# KiCad board Wirebonder.kicad_pcb (continued)
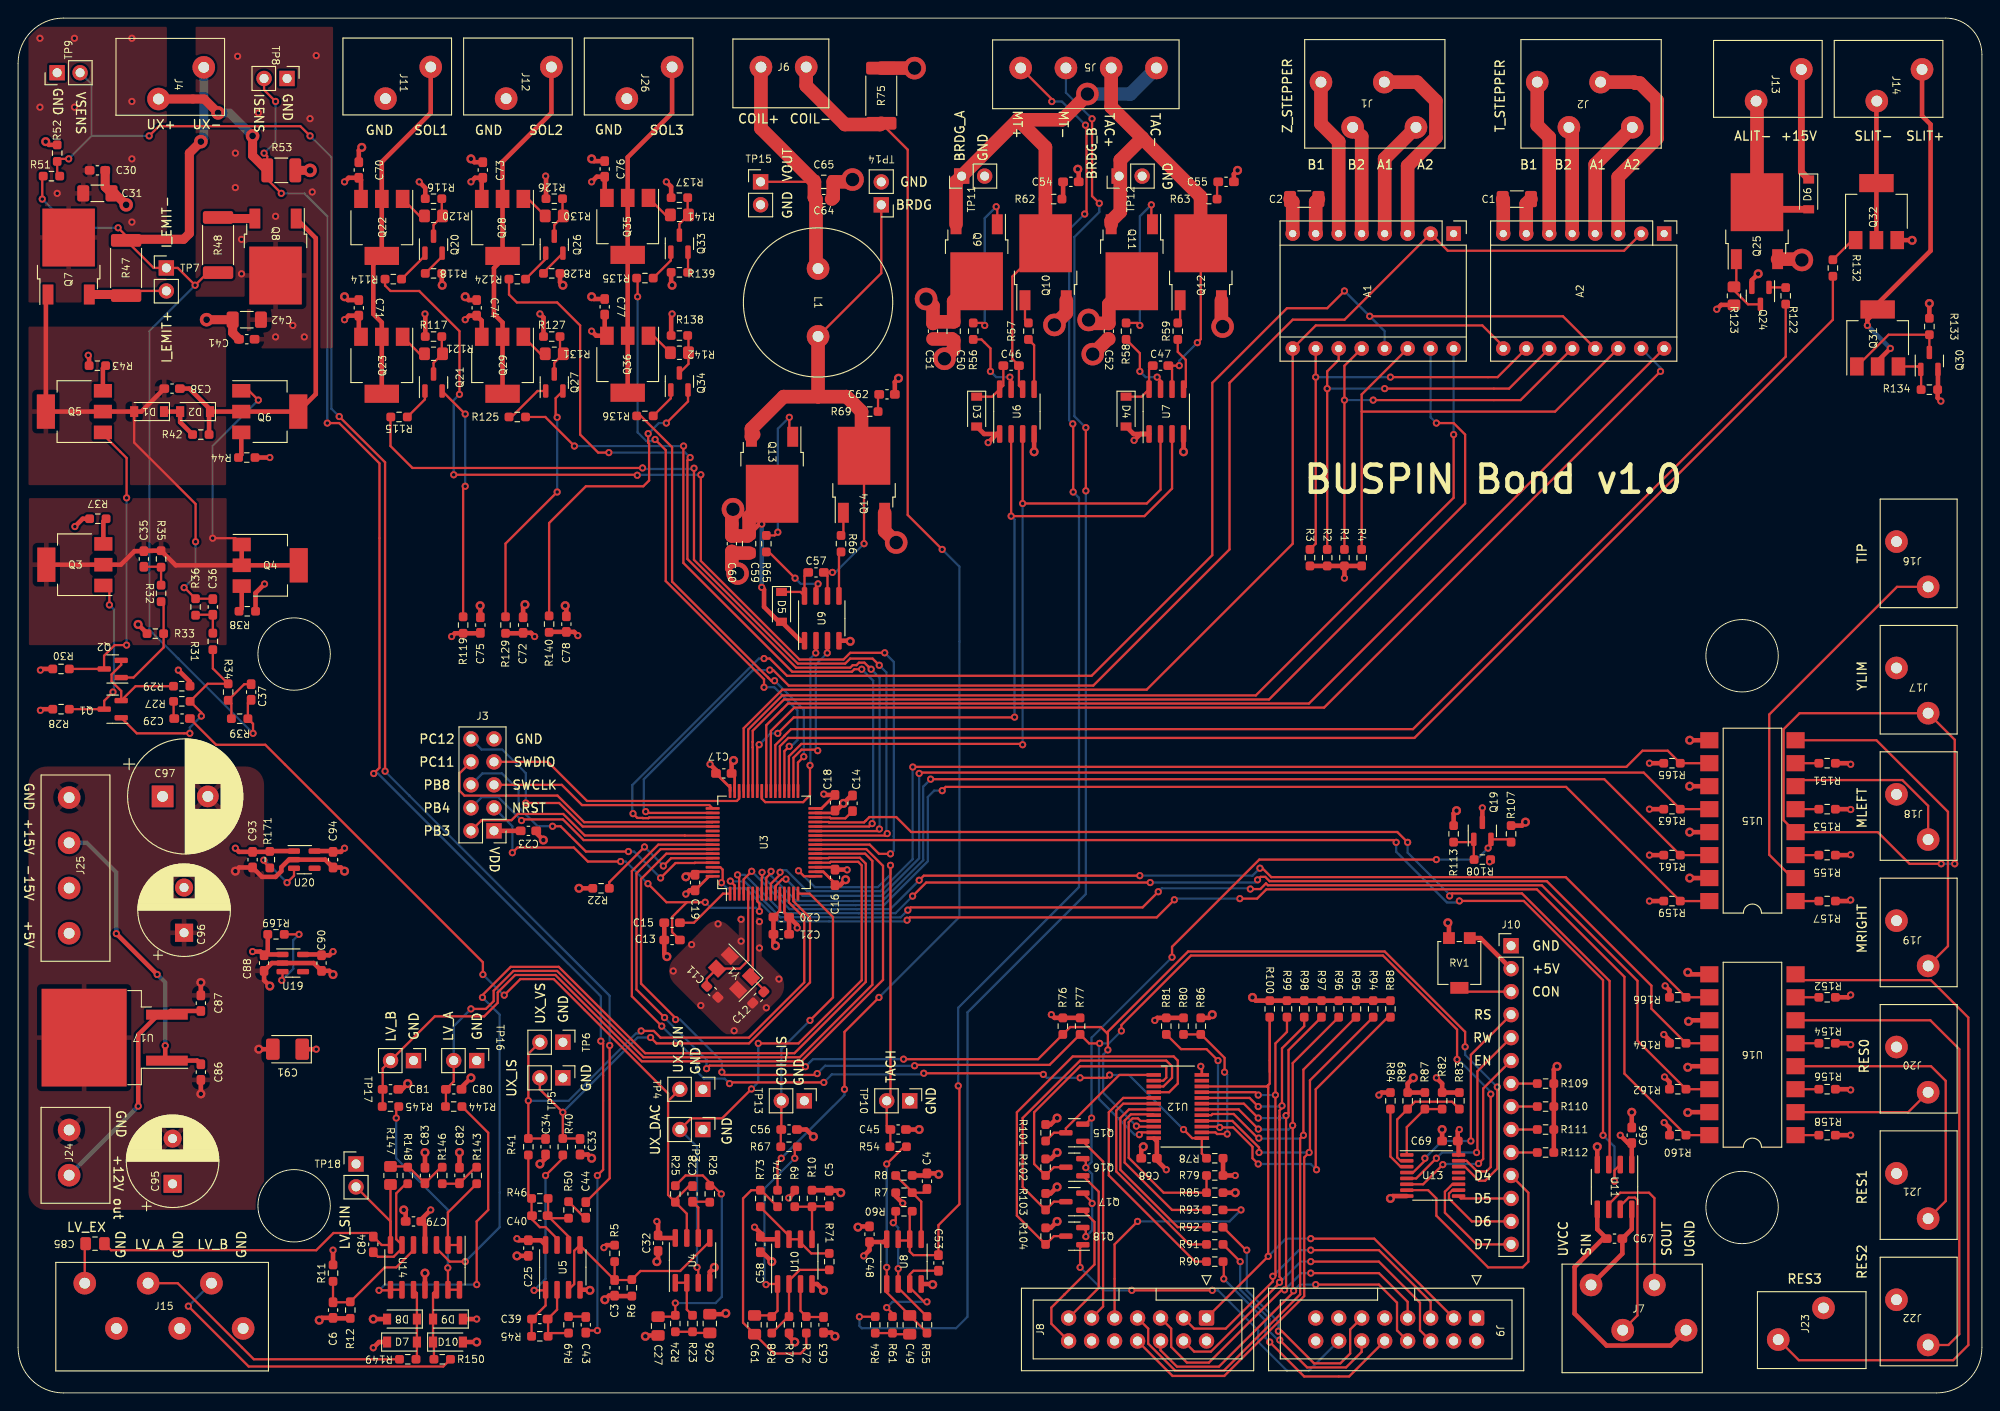
[diagram p0: board, top side]
## Routing (per net, layer and track width the routed paths; a pad name or vN(x,y) marks a point on that pad's centre or on a via; arc(x,y) is an arc through that point) (continued)
  Bottom w0.25: J3.6 51.31,68.49 53.47,68.49 55.31,66.65 55.31,64.74 57.41,62.65 v1(59.06,62.65) ; v1(71,56.93) 68.07,59.85 v1(67.44,59.85)
/mcu/PC11: length 33.1
  Top w0.25: J3.8 48.77,68.49 48.77,66.58 49.32,66.04 59.6,66.04 62.55,63.1 76.73,63.1 U3.52
/mcu/PC12: length 32.7
  Top w0.25: v1(56.1,65.22) 59.79,65.22 62.39,62.62 U3.53
  Bottom w0.25: J3.10 51.22,71.13 53.5,71.13 56.1,68.53 v1(56.1,65.22)
/mcu/SERIAL_RX: length 119
  Top w0.25: U11.2 176.41,24.61 v1(176.41,23.41) ; U3.25 152.03,61.12 v1(152.28,60.87) ; v1(159.26,54.39) 166.38,54.39 175.13,45.63 v1(175.13,28.49)
  Bottom w0.25: v1(152.28,60.87) 152.28,59.83 157.89,54.22 159.09,54.22 v1(159.26,54.39) ; v1(175.13,28.49) 176.41,27.22 v1(176.41,23.41)
/mcu/SERIAL_TX: length 116.8
  Top w0.25: v1(153.54,60.87) 152.4,62.01 98.69,62.01 97.03,63.67 94.67,63.67 94.07,63.67 93.65,63.24 93.48,63.08 89.61,63.08 89.57,63.12 U3.29 ; U11.3 175.86,25.33 175.86,45.54 166.18,55.22 158.46,55.22 v1(158.19,54.95)
  Bottom w0.25: v1(158.19,54.95) 158.19,55.09 153.54,59.73 v1(153.54,60.87)
/mcu/STEPPER_EN: length 123.2
  Top w0.25: A2.9 164.11,115.71 161.8,118.02 143.4,118.02 A1.9 140.84,93.89 124.71,77.75 84.44,77.75 80.17,73.48 U3.45
/mcu/STEPPER_FAULT: length 160.1
  Top w0.25: v1(69.35,64.27) 69.5,64.12 U3.50 ; A2.2 177.46,126.28 157.98,126.28 A1.2 146.57,118.66 140.84,118.66 133.86,111.67 133.86,93.25 118.81,78.2 85.15,78.2 83.43,79.92 v1(83.06,79.92)
  Bottom w0.25: v1(83.06,79.92) 81.22,79.92 69.14,67.84 69.14,64.48 v1(69.35,64.27)
/mcu/STEPPER_RESET: length 160.9
  Top w0.25: U3.51 69.72,63.62 69.65,63.55 69.05,63.55 69.02,63.57 68.42,63.57 v1(67.95,64.05) ; v1(146.56,121.83) 144.66,119.92 140.21,119.92 131.96,111.67 131.96,92.62 118.62,79.28 84.97,79.28 83.06,81.19 v1(82.42,81.19) ; A2.13 170.7,119.04 v1(149.35,119.04)
  Bottom w0.25: v1(67.95,64.05) 67.87,64.12 67.87,67.21 81.85,81.19 v1(82.42,81.19) ; v1(146.56,121.83) v1(149.35,119.04) 151,117.38 A1.13
/mcu/STEPPER_TEAR_DIR: length 123.9
  Top w0.25: 84.33,75.48 85.07,76.22 142.64,76.22 A2.16 ; 84.44,75.58 82.67,73.82 U3.40
/mcu/STEPPER_TEAR_STEP: length 124.8
  Top w0.25: U3.39 83.17,73.18 85.77,75.77 144.31,75.77 v1(181.49,112.94)
  Bottom w0.25: v1(181.49,112.94) 181.49,113.34 A2.15
/mcu/STEPPER_Y_DIR: length 111.9
  Top w0.25: v1(158.62,105.95) 158.62,98.97 136.77,77.12 84.45,77.12 80.67,73.35 U3.44
  Bottom w0.25: v1(158.62,105.95) A1.16
/mcu/STEPPER_Y_STEP: length 115.6
  Top w0.25: U3.43 81.17,71.35 81.16,71.37 81.16,71.97 81.17,71.98 81.17,73.21 84.63,76.67 138.23,76.67 159.9,98.33 159.9,105.95 158.62,107.22 v1(156.72,107.22)
  Bottom w0.25: A1.15 156.09,107.86 v1(156.72,107.22)
/mcu/SWCLK: length 25.2
  Top w0.25: U3.49 76.38,64.99 62.31,64.99 60.08,67.22 J3.5
/mcu/SWDIO: length 29.8
  Top w0.25: U3.46 79.67,65.7 79.42,65.44 62.86,65.44 58.54,69.77 J3.7
/mcu/ULTRASONIC_ISENS: length 54
  Top w0.25: 57.66,34.84 57.66,33.56 v1(60.19,31.03) R40.1 62.05,28.13 ; v1(69.89,39.29) 70.54,38.64 80.77,38.64 87.5,45.38 87.5,52.52 85.67,54.35 U3.15
  Bottom w0.25: v1(60.19,31.03) 68.46,39.29 v1(69.89,39.29)
/mcu/ULTRASONIC_SIGNAL: length 65.3
  Top w0.25: TP3.2 74.36,30.36 77.79,30.36 v1(81.04,33.6) ; U3.20 89.7,58.62 89.8,58.72 92.83,58.72 93.22,58.33 93.22,45.63 86.23,38.64 v1(81.79,38.64) ; v1(75.02,13.88) 75.16,13.74 U4.3
  Bottom w0.25: v1(75.02,13.88) 75.02,27.22 TP3.2 ; v1(81.04,33.6) 81.79,34.36 v1(81.79,38.64)
/mcu/ULTRASONIC_VSENS: length 60.1
  Top w0.25: C34.2 58.23,28.13 R41.1 v1(56.38,32.31) 56.38,37.49 TP6.2 ; v1(68.85,40.02) 70.25,40.02 70.99,39.28 80.76,39.28 86.87,45.39 86.87,52.52 85.17,54.22 U3.14
  Bottom w0.25: v1(68.85,40.02) 68.57,39.74 68.27,39.74 60.82,32.29 56.39,32.29 v1(56.38,32.31)
/mcu/ZMOTOR_nPWM: length 86.7
  Top w0.25: U7.2 126.24,99.86 124.72,98.33 v1(111,98.33) U6.3 ; v1(111,71.67) 110.91,71.75 86.55,71.75 85.17,70.38 U3.35
  Bottom w0.25: v1(111,71.67) v1(111,98.33)
/mcu/ZMOTOR_PWM: length 91.2
  Top w0.25: v1(83.94,72.92) 85.71,74.68 110.08,74.68 v1(110.11,74.71) ; U6.2 v1(109.73,96.94) 124.46,96.94 127.51,99.99 U7.3 ; U3.42 81.67,71.46 v1(81.89,71.67)
  Bottom w0.25: v1(83.94,72.92) 83.14,72.92 v1(81.89,71.67) ; v1(110.11,74.71) 110.11,96.56 v1(109.73,96.94)
/mcu/ZMOTOR_TACHOMETER: length 46.1
  Top w0.25: v1(86.24,57.73) 86.84,57.12 U3.17 ; v1(96.4,58.33) 96.4,32.71 TP10.2 95.98,29.52 C45.1 96.38,27.26 R54.1
  Bottom w0.25: v1(96.4,58.33) 96.4,57.31 95,55.92 88.05,55.92 v1(86.24,57.73)
Net-(A1-Pad3): length 22.5
  Top w1.5: A1.3 153.54,135.67 156.66,138.79 156.66,142.84 154.59,144.92 J1.2
Net-(A1-Pad4): length 13.2
  Top w1.5: A1.4 151,136.46 J1.1
Net-(A1-Pad5): length 12.2
  Top w1.5: J1.3 148.47,138.92 A1.5
Net-(A1-Pad6): length 17.6
  Top w1.5: J1.4 143.97,140.31 145.93,138.35 A1.6
Net-(A1-Pad10): length 47.1
  Top w0.25: R3.1 143.38,93.89 A1.10 ; A2.10 163.49,112.31 v1(151.64,112.31)
  Bottom w0.25: v1(151.64,112.31) v1(143.38,112.31)
Net-(A1-Pad11): length 49.1
  Top w0.25: R2.1 144.66,112.94 145.93,114.21 A1.11 ; v1(151,111.03) 164.75,111.03 A2.11
  Bottom w0.25: v1(151,111.03) v1(144.66,111.03)
Net-(A1-Pad12): length 50.5
  Top w0.25: v1(149.74,109.77) 166.03,109.77 A2.12 ; A1.12 146.56,113.56 R1.1
  Bottom w0.25: v1(149.74,109.77) v1(146.56,109.77)
Net-(A1-Pad14): length 55.6
  Top w0.25: A2.14 169.84,108.5 148.47,108.5 ; 148.47,108.5 R4.1 ; 148.47,108.5 148.47,110.39 A1.14
Net-(A2-Pad3): length 23.6
  Top w1.5: A2.3 176.81,134.43 181.1,138.72 181.1,142.91 179.2,144.82 178.69,144.82 178.59,144.92 J2.2
Net-(A2-Pad4): length 13.4
  Top w1.5: A2.4 174.27,135.82 J2.1
Net-(A2-Pad5): length 11.9
  Top w1.5: A2.5 171.73,139.56 J2.3
Net-(A2-Pad6): length 17.3
  Top w1.5: J2.4 167.87,140.15 169.19,138.82 A2.6
Net-(C3-Pad2): length 25.6
  Top w0.25: C3.2 67.77,12.48 R6.1 68.77,13.48 73.16,13.48 76.43,16.75 U4.5 ; C3.2 62.09,16.3 U5.5 61.45,15.71 61.45,12.03 U5.3 ; C3.2 R5.2
Net-(C4-Pad2): length 10
  Top w0.25: R7.2 100.02,22.13 C4.2 ; R7.2 99.79,21.14 U8.5 ; R7.2 98.8,22.22 R8.1
Net-(C5-Pad2): length 7.4
  Top w0.25: R9.2 R10.1 ; R10.1 87.78,20.64 C5.2 ; R10.1 U10.5
Net-(C6-Pad2): length 14.2
  Top w0.25: U14.5 43.69,15.78 41.78,13.88 40.52,13.88 R12.1 36.66,10.02 C6.2 R11.2
Net-(C11-Pad2): length 13.6
  Top w0.25: C11.2 76.1,45.78 Y1.3 79.77,46.91 80.67,47.82 U3.5
Net-(C12-Pad2): length 11.5
  Top w0.25: C12.2 82.4,44.58 Y1.1 81.17,46.19 U3.6
Net-(C14-Pad1): length 4.5
  Top w0.25: U3.30 89.7,63.62 89.8,63.53 91.4,63.53 C14.1
Net-(C15-Pad2): length 6.9
  Top w0.25: U3.1 77.89,55.19 74.68,51.98 C15.2
Net-(C26-Pad1): length 3.9
  Top w0.25: R24.1 R23.2 74.65,6.63 C26.1
Net-(C27-Pad1): length 26.7
  Top w0.25: C27.1 72.47,8.43 R24.2 v1(72.62,9.93) ; v1(77.7,22) 76.79,22.91 R26.1 76.43,23.27 75.66,24.04 73.75,24.04 R25.1
  Bottom w0.25: v1(77.7,22) 77.76,21.94 77.76,10.62 77.07,9.93 v1(72.62,9.93)
Net-(C28-Pad1): length 6.2
  Top w0.25: U4.6 75.16,20.5 C28.1 76.38,21.13 R26.2
Net-(C28-Pad2): length 93.8
  Top w0.25: C29.1 21.88,71.66 27.32,71.66 51.36,47.61 v1(51.36,46.25) ; R25.2 73.89,19.81 U4.7 ; R25.2 72.62,21.36 74.12,22.86 C28.2 ; R25.2 71.82,21.88 71.82,32.26 ; 71.82,32.26 71.82,33.12 59.18,45.76 55.5,45.76 v1(53.72,43.98) ; 71.82,32.26 TP4.2
  Bottom w0.25: v1(51.36,46.25) 53.64,43.98 v1(53.72,43.98)
Net-(C29-Pad2): length 1.9
  Top w0.25: C29.2 17.18,74.63 R27.2
Net-(C35-Pad1): length 3.9
  Top w0.25: R32.1 R35.2 15.75,91.34 C35.1
Net-(C35-Pad2): length 54.7
  Top w0.25: Q4.1 24.7,93.8 24,94.5 v1(21.5,94.5) ; v1(26.55,109.77) 25.52,110.8 24.66,110.8
  Top w0.5: Q4.2 Q4.1 ; Q4.2 Q4.4 ; Q4.2 17.41,91.5 R35.1 13.95,93.11 C35.2 12.85,93.06 11.35,91.57 Q3.2 Q3.4
  Bottom w0.25: v1(26.55,109.77) 21.5,104.72 v1(21.5,94.5)
Net-(C36-Pad1): length 4
  Top w0.25: R31.1 21.52,86.03 C36.1 19.66,86.03 R36.1
Net-(C36-Pad2): length 53.7
  Top w0.25: D1.2 12.83,105.07 19.61,98.28 v1(19.61,94.11) ; C36.2 21.47,87.81 R36.2 18.39,89.03 v1(18.34,89.03)
  Top w0.5: C38.2 13.61,108.5 D1.2 Q5.2 Q5.4 3.07,121.2 Q7.1
  Bottom w0.25: v1(18.34,89.03) 19.61,90.3 v1(19.61,94.11)
Net-(C37-Pad1): length 113.6
  Top w0.25: v1(25.96,72.92) 25.96,73.97 R39.1 25.39,76.27 C37.1 ; R51.1 2.67,134.43 v1(2.67,131.99) ; v1(11.05,128.81) 11.94,127.93 R47.2 14.98,124.38 TP7.1 17.65,124.38 v1(19.56,122.47) 20.95,123.86 R48.1
  Top w1: v4(20.2,138.34) 18.92,137.07 18.92,128.18 18.29,127.55 12.06,127.55 R47.2
  Bottom w0.25: v1(25.96,72.92) 14.5,84.39 14.5,117.41 v1(19.56,122.47) ; v1(11.05,128.81) 5.84,128.81 v1(2.67,131.99)
  Bottom w1: J4.1 20.52,138.66 v4(20.2,138.34)
Net-(C37-Pad2): length 5.5
  Top w0.25: C37.2 24.98,78.35 R34.2 23.57,76.22 R39.2
Net-(C38-Pad1): length 39.9
  Top w0.5: D2.1 Q6.2 Q6.4 32.89,110.43 32.89,127.67 Q8.1 ; D2.1 21.1,108.39 R42.2 ; D2.1 21.2,108.75 18.92,111.03 C38.1
Net-(C39-Pad1): length 23.4
  Top w0.25: v1(58.28,24.04) 60.19,25.94 R40.2 ; R45.2 56.74,8.12 C39.1 58.28,9.66 U5.1 58.22,11.34 v1(57.02,11.34)
  Bottom w0.25: v1(57.02,11.34) 58.28,12.61 v1(58.28,24.04)
Net-(C39-Pad2): length 8
  Top w0.25: R49.1 58.92,6.62 R45.1 58.56,8.12 C39.2 59.56,9.21 59.56,11.41
Net-(C40-Pad1): length 11.6
  Top w0.25: 59.56,16.35 59.56,17.06 58.28,18.32 57.65,18.32 56.79,19.19 C40.1 56.74,19.65 R46.1 56.38,21.86 R41.2
Net-(C40-Pad2): length 8.6
  Top w0.25: R46.2 58.56,19.65 C40.2 ; U5.6 60.83,17.28 C40.2 ; R50.1 58.79,19.32 C40.2
Net-(C43-Pad1): length 1.9
  Top w0.25: C43.1 62.68,8.44 R49.2
Net-(C43-Pad2): length 176.3
  Top w0.25: v1(27.18,137.07) 27.53,136.72 R53.1 27.53,134.18 v1(29.08,132.62) ; v1(28.45,142.78) 27.18,144.06 TP8.2 ; C43.2 62.96,6.9 v1(64.01,6.9) ; v1(39.3,68.48) 39.93,69.11 39.93,102.77 35.47,107.22 v1(34.17,107.22) ; v1(64.01,24.04) 64.64,24.68 64.64,38.64 v1(64.39,38.9)
  Top w1: J4.2 20.56,143.06 v4(22.1,141.51) ; v4(25.91,138.97) 25.91,136.78 R53.1
  Bottom w0.25: v1(29.08,132.62) 31.62,132.62 34.17,130.09 v1(34.17,107.22) ; v1(28.45,142.78) 28.45,138.34 v1(27.18,137.07) ; v1(64.01,24.04) v1(64.01,6.9) ; v1(64.39,38.9) 64.39,43.85 39.76,68.48 v1(39.3,68.48)
  Bottom w1: v4(25.91,138.97) 23.37,141.51 v4(22.1,141.51)
Net-(C44-Pad1): length 2.6
  Top w0.25: C44.1 62.6,19.37 R50.2
Net-(C44-Pad2): length 171.9
  Top w0.25: v1(65.37,38.41) 65.37,23.73 C44.2 ; v1(5.59,136.44) 4.6,136.44 R52.1 4.32,134.81 R51.2 ; v1(14.48,138.97) 15.55,140.05 31.19,140.05 v1(32.26,138.97) ; v1(40.55,68.74) 40.55,102.88 v1(35.49,107.95)
  Bottom w0.25: v1(40.55,68.74) 40.55,68.72 65.37,43.9 v1(65.37,38.41) ; v1(14.48,138.97) 8.13,138.97 ; 8.13,138.97 v1(5.59,136.44) ; 8.13,138.97 8.13,144.68 TP9.2 ; v1(32.26,138.97) 34.61,136.62 34.61,108.82 v1(35.49,107.95)
Net-(C46-Pad1): length 5.7
  Top w0.25: C46.1 108.87,111.38 U6.8 107.63,110.15 D3.1
Net-(C46-Pad2): length 65.2
  Top w0.25: U6.6 110.59,111.38 C46.2 109.86,114.31 109.86,123.42 113.54,127.1
  Top w1.5: 110.49,140.76 113.52,137.73 R62.1 113.52,127.13 113.54,127.1 ; 110.49,140.76 115.38,140.76 118.16,143.54 v3(118.16,143.61) ; 110.49,140.76 104.26,134.54 TP11.1 103.64,133.91 103.64,129.2
  Bottom w1.5: v3(118.16,143.61) 122.91,143.61 125.78,146.49
Net-(C47-Pad1): length 5.7
  Top w0.25: C47.1 124.97,113.17 U7.8 124.15,110.15 D4.1
Net-(C47-Pad2): length 52.9
  Top w0.25: 130.69,127.1 130.69,116.5 v1(130.31,116.12) ; v1(128.31,113.58) C47.2 127.51,113.17 U7.6
  Top w1.5: 120.78,129.2 120.78,129.58 121.79,130.59 121.79,136.31 124.21,138.72 ; 120.78,146.49 120.78,142.18 124.21,138.76 124.21,138.72 ; 130.69,127.1 130.66,127.13 R63.1 130.66,132.27 124.21,138.72
  Bottom w0.25: v1(128.31,113.58) 128.31,114.12 v1(130.31,116.12)
Net-(C49-Pad1): length 23.5
  Top w0.25: v1(95.98,13.88) U8.1 95.98,11.11 C49.1 100.43,6.66 R55.2 ; R54.2 97.89,27.22 v1(95.98,25.31)
  Bottom w0.25: v1(95.98,13.88) v1(95.98,25.31)
Net-(C49-Pad2): length 3.9
  Top w0.25: C49.2 96.74,6.49 R61.2 R64.1
Net-(C53-Pad1): length 151.9
  Top w0.25: 97.25,16.84 98.52,16.84 ; 98.52,16.84 98.52,19.81 R60.1 ; 98.52,16.84 98.52,15.64 98.93,15.23 C53.1 101.7,18.55 104.01,20.87 104.01,33.82 v1(103.89,33.95) ; v1(114.22,142.78) 114.22,143.05 110.78,146.49 ; v1(117.86,130.34) 118.06,130.54 118.06,140.05 v1(117.95,140.16) ; v1(116.59,99.61) 116.59,107.09 v1(116.54,107.14)
  Bottom w0.25: v1(114.22,142.78) 115.33,142.78 v1(117.95,140.16) ; v1(103.89,33.95) 103.89,42.58 117.22,55.92 117.22,98.97 v1(116.59,99.61) ; v1(117.86,130.34) 116.14,128.62 116.14,107.54 v1(116.54,107.14)
Net-(C53-Pad2): length 13.3
  Top w0.25: v1(95.98,9.44) 96.62,8.8 R61.1 ; C53.2 98.94,13.51 98.52,13.09 U8.3 98.52,11.66 100.12,10.07 v1(100.43,10.07)
  Bottom w0.25: v1(95.98,9.44) 96.62,10.07 v1(100.43,10.07)
Net-(C54-Pad1): length 2
  Top w0.5: C54.1 115.47,132.12 R62.2
Net-(C55-Pad1): length 2
  Top w0.25: R63.2 132.49,133.76 C55.1
Net-(C57-Pad1): length 5.5
  Top w0.25: C57.1 86.9,90.31 U9.8 86.45,88.56 D5.1
Net-(C57-Pad2): length 62.9
  Top w0.25: L1.2 95.38,123.8 TP14.1 ; U9.6 89.44,90.31 C57.2 v1(89.98,90.72) ; v1(93.47,93.89) Q14.2
  Top w1.5: 81.28,105.96 Q13.3 81.03,106.6 84.58,110.15 88.39,110.15 ; L1.2 88.39,110.15 88.39,110.15 ; Q14.2 93.2,103.89 R69.1 91.55,110.15 88.39,110.15
  Bottom w0.25: v1(93.47,93.89) 90.3,90.72 v1(89.98,90.72)
Net-(C61-Pad1): length 23.9
  Top w0.25: v1(82.65,11.97) 82.71,12.04 U10.1 83.92,9.08 R68.2 83.16,8.57 C61.1 ; R67.2 85.82,26.94 v1(85.82,25.94)
  Bottom w0.25: v1(82.65,11.97) 82.46,12.16 82.46,22.58 v1(85.82,25.94)
Net-(C61-Pad2): length 29
  Top w0.25: R72.2 87.09,4.99 86.46,4.35 83.52,4.35 C61.2 80.11,7.76 80.11,21.5 81.02,22.41 R73.2 82.09,22.41 R74.1
Net-(C62-Pad1): length 2
  Top w0.25: C62.1 95.02,110.27 R69.2
Net-(C63-Pad2): length 5.8
  Top w0.25: C63.2 87.14,8.39 R72.1 86.46,9.08 U10.3
Net-(C64-Pad1): length 30.8
  Top w0.25: C65.1 87.99,133.9 TP15.1
  Top w1.5: J6.1 82.08,139.8 C65.1 87.99,132.16 C64.1 88.17,124.54 L1.1
Net-(C67-Pad1): length 28.2
  Top w0.5: J7.4 182.61,5.24 175.53,5.24 171.99,8.77 171.99,13.91 175.13,17.06 C67.1 174.5,18.1 U11.5
Net-(C67-Pad2): length 10.2
  Top w0.5: U11.8 178.31,18.1 C67.2 177.27,15.39 J7.1
Net-(C82-Pad1): length 4.6
  Top w0.25: R146.1 48.72,23.13 C82.1 50.55,24.95 R143.2
Net-(C83-Pad1): length 7.2
  Top w0.25: R146.2 46.73,24.95 C83.1 43.19,24.95 R148.1 42.97,25.04 R147.1
Net-(C84-Pad1): length 11.8
  Top w0.25: C84.1 39.75,15.06 41.5,15.06 42.42,15.98 U14.6 41.78,16.99 41.78,22.06 42.85,23.13 R148.2
Net-(C84-Pad2): length 47.8
  Top w0.25: R147.2 U14.7 ; U14.7 40.17,16.35 C84.2 38.84,17.69 ; U14.7 41.15,18.97 TP18.2 ; C85.1 10.26,15.78 32.94,15.78 34.85,17.68 38.66,17.68
Net-(C85-Pad2): length 4.4
  Top w0.25: C85.2 7.37,16.4 J15.1
Net-(D1-Pad1): length 4.9
  Top w0.5: R42.1 17.91,107.33 D2.2 D1.1
Net-(D7-Pad2): length 7.9
  Top w0.25: R149.1 44.07,3.82 D7.2 D8.1 44.07,11.03 U14.10
Net-(D10-Pad1): length 7.9
  Top w0.25: R150.1 45.95,5.52 D10.1 D9.2 45.85,11.03 U14.12
Net-(J5-Pad3): length 162
  Top w0.25: v1(117.99,106.72) v1(117.99,99.73) ; v1(119.47,131.52) 118.67,132.32 v1(118.67,140.87) ; v1(92.97,8.42) 94.69,8.42 R64.2
  Bottom w0.25: 115.78,146.49 115.78,143.75 v1(118.67,140.87) ; v1(119.47,131.52) 119.47,130.56 116.72,127.8 116.72,107.99 v1(117.99,106.72) ; v1(92.97,8.42) 92.97,7.4 93.22,7.15 103.63,7.15 104.9,8.42 104.9,42.07 117.99,55.16 v1(117.99,99.73)
Net-(J6-Pad2): length 142.1
  Top w0.25: v1(102.11,93.25) 98.3,97.06 98.3,137.45 R75.1 ; R74.2 83.92,25.53 v1(84.33,25.94) ; v1(91.31,33.56) 91.31,39.92 v1(95.12,43.72)
  Top w1.5: J6.2 87.08,144.51 91.36,140.24 95.25,140.24 R75.1
  Bottom w0.25: v1(95.12,43.72) 104.01,52.61 104.01,91.35 v1(102.11,93.25) ; v1(84.33,25.94) 91.31,32.93 v1(91.31,33.56)
Net-(J7-Pad2): length 17.8
  Top w0.25: U11.7 177.04,20.67 177.96,21.59 178.66,21.59 178.94,21.32 178.94,8.56 J7.2
Net-(J7-Pad3): length 16
  Top w0.25: J7.3 180.81,21.54 180.22,22.13 177.04,22.13 175.77,20.87 U11.6
Net-(J8-Pad1): length 74.8
  Top w0.25: 138.31,35.47 R100.2 138.31,34.2 137.99,33.88 ; U12.10 137.99,33.88 ; 137.99,33.88 138.14,34.03 v1(138.14,15.1) J8.1 ; J9.3 149.85,17.06 v1(142.84,17.06)
  Bottom w0.25: v1(138.14,15.1) 140.09,17.06 v1(142.84,17.06)
Net-(J8-Pad3): length 73.4
  Top w0.25: R99.2 140.21,39.92 138.94,38.64 v1(138.94,32.93) 138.94,12.99 138.66,12.72 138.66,12.33 133.44,7.11 129.96,7.11 J8.3 ; v1(142.84,15.78) 150.37,15.78 156.09,10.07 J9.5 ; U12.9 136.72,33.25 v1(137.03,32.93)
  Bottom w0.25: v1(137.03,32.93) 138.93,32.93 v1(138.94,32.93) ; v1(138.64,12.9) 141.53,15.78 v1(142.84,15.78)
Net-(J8-Pad4): length 77.4
  Top w0.25: J8.4 129.96,4.57 131.81,4.57 139.17,11.93 139.17,12.01 v1(139.38,12.22) 139.66,12.5 139.66,12.56 139.38,12.84 139.38,30.2 139.39,30.2 139.39,30.58 139.38,30.58 139.38,31.22 139.66,31.5 139.66,38.09 142.12,40.55 R98.2 ; v1(142.84,14.51) 150.37,14.51 154.91,9.97 154.91,6.92 J9.6 ; v1(137.03,31.66) 136.08,32.61 U12.8
  Bottom w0.25: v1(139.38,12.22) 139.43,12.22 141.73,14.51 v1(142.84,14.51) ; v1(139.66,31.74) 139.58,31.66 v1(137.03,31.66)
Net-(J8-Pad5): length 79.7
  Top w0.25: v1(142.84,13.25) 150.37,13.25 153.54,10.07 J9.7 ; J8.5 127.41,7.11 127.41,5.09 129.15,3.35 131.58,3.35 139.63,11.39 v1(139.95,11.39) 140.11,11.56 v1(140.11,30.66) 140.38,30.93 140.38,37.91 R97.2 ; v1(137.03,30.39) 135.45,31.98 U12.7
  Bottom w0.25: v1(137.03,30.39) 139.84,30.39 v1(140.11,30.66) ; v1(139.95,11.39) 141.8,13.25 v1(142.84,13.25)
Net-(J8-Pad6): length 80.8
  Top w0.25: v1(143.38,11.97) 150.37,11.97 152.37,9.97 152.37,6.92 J9.8 ; J8.6 126.24,4.72 128.06,2.9 132.69,2.9 140.86,11.07 140.86,11.09 140.94,11.16 v1(140.94,11.29) 140.84,11.39 140.84,36.46 R96.2 ; v1(137.05,29.17) 134.87,31.34 U12.6
  Bottom w0.25: v1(137.05,29.17) 137.09,29.12 140.38,29.12 v1(140.83,29.57) ; v1(140.94,11.29) 141.62,11.97 v1(143.38,11.97)
Net-(J8-Pad7): length 70.6
  Top w0.25: J8.7 124.88,7.11 124.88,5.45 127.87,2.45 133.22,2.45 141.67,10.89 141.67,28.12 v1(142.03,28.49) 142.03,35.74 R95.2 ; U12.5 131.85,30.71 131.98,30.84 134.32,30.84 136.98,28.17 v1(137.1,28.17)
  Bottom w0.25: v1(137.1,28.17) 137.15,28.12 141.66,28.12 v1(142.03,28.49)
Net-(J8-Pad8): length 71.3
  Top w0.25: v1(137.12,26.58) 137.12,27.13 134.18,30.07 U12.4 ; R94.2 142.75,34.56 142.75,26.67 v1(142.66,26.58) 142.12,26.03 142.12,10.71 133.28,1.87 127.57,1.87 J8.8
  Bottom w0.25: v1(137.12,26.58) v1(142.66,26.58)
Net-(J8-Pad9): length 25.7
  Top w0.25: v1(123.7,18.96) 121.16,16.42 J8.9 ; v1(135.13,20.23) R93.2
  Bottom w0.25: v1(123.7,18.96) 133.86,18.96 v1(135.13,20.23)
Net-(J8-Pad11): length 21
  Top w0.25: J8.11 119.89,9.55 119.89,25.57 Q15.1
Net-(J8-Pad13): length 17.8
  Top w0.25: Q16.1 119.41,22.25 119.41,11.61 J8.13
Net-(J8-Pad14): length 17.7
  Top w0.25: Q17.1 118.94,18.91 118.94,14.2 115.63,10.89 115.63,10.89 114.18,9.44 114.18,7.65 J8.14
Net-(J9-Pad10): length 26.9
  Top w0.25: R90.2 133.22,14.44 v1(133.22,12.61) ; v1(138.31,5.62) 142.12,1.81 147.08,1.81 J9.10
  Bottom w0.25: v1(138.31,5.62) 137.83,6.1 137.83,8 v1(133.22,12.61)
Net-(J9-Pad11): length 28.4
  Top w0.25: v1(139.26,6.83) 139.64,6.83 143.2,3.27 146.11,3.27 147.19,4.35 147.19,7.01 J9.11 ; R92.2 135.69,15.78 v1(135.76,15.78)
  Bottom w0.25: v1(139.26,6.83) 139.26,7.85 135.76,11.34 v1(135.76,15.78)
Net-(J9-Pad12): length 25.5
  Top w0.25: R91.2 135.04,14.52 v1(135.04,14.51) ; v1(139.42,5.84) 142.43,2.82 146.75,2.82 148.47,4.54 J9.12
  Bottom w0.25: v1(139.42,5.84) 139.22,5.84 138.28,6.78 138.28,8.19 135.04,11.43 v1(135.04,14.51)
Net-(J9-Pad14): length 38
  Top w0.25: v1(123.06,11.34) v1(131.96,11.34) ; Q18.1 117.35,16.08 v1(117.35,13.88)
  Bottom w0.25: J9.14 142.63,2.45 140.21,2.45 137.03,5.62 137.03,6.9 132.59,11.34 v1(131.96,11.34) ; v1(117.35,13.88) 119.89,11.34 v1(123.06,11.34)
Net-(J10-Pad3): length 5.9
  Top w0.25: RV1.2 159.69,44.36 J10.3
Net-(J10-Pad7): length 2.9
  Top w0.25: J10.7 R109.1
Net-(J10-Pad8): length 2.9
  Top w0.25: J10.8 R110.1
Net-(J10-Pad9): length 2.9
  Top w0.25: J10.9 R111.1
Net-(J10-Pad10): length 2.9
  Top w0.25: J10.10 R112.1
Net-(J15-Pad3): length 31.3
  Top w0.25: J15.3 17.64,12.13 26.05,3.72 R149.2
Net-(J15-Pad5): length 35.7
  Top w0.25: v1(18.81,9.59) 25.48,2.92 46.98,2.92 R150.2
  Bottom w0.25: v1(18.81,9.59) 18.83,9.59 J15.5
Net-(J16-Pad1): length 42.9
  Top w0.25: U15.2 196.08,56.92 193.5,59.5 193.5,75 207.62,89.12 J16.1
Net-(J17-Pad1): length 65.5
  Top w0.25: v1(214,58.5) 214,72.21 J17.1 196.86,75.15 195.09,73.38 195.09,63.33 U15.4 205.5,62 209,58.5 v1(212.5,58.5)
  Bottom w0.25: v1(212.5,58.5) v1(214,58.5)
Net-(J18-Pad1): length 19.8
  Top w0.25: U15.6 197.09,67.75 208.21,67.75 211.06,64.91 J18.1
Net-(J19-Pad1): length 38.1
  Top w0.25: J19.1 213.25,49.4 213.25,64.25 205.34,72.16 U15.8
Net-(J20-Pad1): length 15.6
  Top w0.25: U16.2 208.86,31.04 J20.1
Net-(J21-Pad1): length 33.3
  Top w0.25: U16.4 211.38,36.12 213,34.5 213,21.21 J21.1
Net-(J22-Pad1): length 54.9
  Top w0.25: J22.1 213.3,5.3 214.5,6.5 214.5,38 211.3,41.2 U16.6
Net-(J23-Pad1): length 79.9
  Top w0.25: J23.1 196.78,3.62 213.82,3.62 215.5,5.29 215.5,41.5 211.37,45.64 197.06,45.64 U16.8
Net-(Q1-Pad1): length 22.3
  Top w0.25: Q1.1 13.11,72.92 v1(18.98,72.92) ; R31.2 21.52,80.09 R34.1 20.95,78.4 R27.1 20.24,75.22 v1(20.24,74.83)
  Bottom w0.25: v1(18.98,72.92) 18.98,73.56 v1(20.24,74.83)
Net-(Q1-Pad2): length 11.8
  Top w0.25: R29.2 12.98,78.14 Q1.2 11.39,77.61 10.33,78.67 10.33,79.44 11.39,80.5 Q2.2
Net-(Q1-Pad3): length 18.5
  Top w0.25: v1(10.49,77.49) 9.52,76.52 Q1.3 R28.1 ; v1(10.09,87.12) 10.09,88.6 Q3.1
  Bottom w0.25: v1(10.09,87.12) 10.6,86.61 10.6,77.6 v1(10.49,77.49)
Net-(Q2-Pad1): length 11.2
  Top w0.25: Q2.1 12.75,79.09 16.08,82.42 R33.2 16.08,87.2 R32.2
Net-(Q2-Pad3): length 32.9
  Top w0.25: v1(11.99,98.96) 11.99,103.37 9.37,105.98 Q5.1 ; v1(11.99,82.68) 10.68,82.68 9.5,81.5 9.5,80.06 Q2.3 R30.1
  Bottom w0.25: v1(11.99,98.96) v1(11.99,82.68)
Net-(Q3-Pad3): length 2.9
  Top w0.5: R37.1 9.42,96.34 Q3.3
Net-(Q4-Pad3): length 2.9
  Top w0.5: R38.2 24.71,86.72 Q4.3
Net-(Q5-Pad3): length 2.9
  Top w0.5: R43.1 9.37,113.27 9.37,110.8
Net-(Q6-Pad3): length 2.9
  Top w0.5: R44.2 24.66,103.72 Q6.3
Net-(Q7-Pad3): length 8.8
  Top w0.25: TP7.2 12.45,121.84 R47.1
  Top w1: Q7.3 11.81,121.44 R47.1
Net-(Q8-Pad3): length 4.1
  Top w1: R48.2 22.22,129.84 Q8.3
Net-(Q9-Pad1): length 17
  Top w0.25: v1(108.08,131.14) 108.2,131.02 108.2,129.2 ; v1(106.81,118.02) 106.53,118.3 R56.2
  Bottom w0.25: v1(106.81,118.02) 106.81,129.87 v1(108.08,131.14)
Net-(Q10-Pad1): length 2.7
  Top w0.25: R57.2 111.26,118.67 Q10.1
Net-(Q11-Pad1): length 17.7
  Top w0.25: v1(123.96,118.02) 123.68,118.3 R58.2 ; 125.34,129.2 125.22,129.32 v1(125.22,131.35)
  Bottom w0.25: v1(123.96,118.02) 123.96,130.09 v1(125.22,131.35)
Net-(Q12-Pad1): length 2.6
  Top w0.25: R59.2 128.41,118.56 Q12.1
Net-(Q13-Pad1): length 16.9
  Top w0.25: Q13.1 85.22,106.09 v1(85.22,107.86) ; R65.1 83.59,94.8 v1(83.95,95.16)
  Bottom w0.25: v1(83.95,95.16) 83.95,106.59 v1(85.22,107.86)
Net-(Q14-Pad1): length 2.6
  Top w0.25: Q14.1 91.19,95.06 R66.1
Net-(Q15-Pad2): length 84.6
  Top w0.25: v1(118.62,30.39) 117.94,29.71 Q15.2 ; Q16.2 117.99,25.57 v1(117.99,24.9) ; R107.1 164.67,61.2 Q19.2 162.75,60.55 v1(162.44,60.23) ; v1(127.51,48.17) 127.51,49.32 137.15,58.97 v1(156.72,58.97) ; v1(117.99,17.28) 117.99,17.95 Q18.2 ; v1(118.68,20.95) 118.68,21.06 Q17.2
  Bottom w0.25: v1(127.51,48.17) 118.62,39.28 v1(118.62,30.39) 118.62,25.54 v1(117.99,24.9) 118.68,24.21 v1(118.68,20.95) 118.68,17.98 v1(117.99,17.28) ; v1(156.72,58.97) 161.16,58.97 v1(162.44,60.23)
Net-(Q15-Pad3): length 15.3
  Top w0.25: U12.13 121.68,35.15 115.78,29.25 Q15.3 114.45,28.76 R101.2
Net-(Q16-Pad3): length 29.6
  Top w0.25: Q16.3 114.45,24.95 R102.2 112.27,25.31 112.27,31.02 117.35,36.1 126.87,36.1 126.88,36.1 126.88,34.85 126.54,34.52 U12.14
Net-(Q17-Pad3): length 36.9
  Top w0.25: Q17.3 114.45,21.14 R103.2 111,22.77 111,30.39 117.35,36.74 126.88,36.74 127.51,36.1 127.51,34.84 126.56,33.88 U12.15
Net-(Q18-Pad3): length 44.6
  Top w0.25: Q18.3 114.45,17.33 R104.2 110.37,19.59 110.37,31.03 116.54,37.2 127.69,37.2 128.15,36.74 128.15,34.2 127.19,33.25 U12.16
Net-(Q19-Pad1): length 4.6
  Top w0.25: R108.2 160.85,59 Q19.1 160.54,60.89 R113.1
Net-(Q20-Pad1): length 3.9
  Top w0.25: Q20.1 44.95,125.72 R114.1
Net-(Q20-Pad2): length 3
  Top w0.25: R118.2 46.86,125.64 Q20.2
Net-(Q20-Pad3): length 4.6
  Top w0.25: Q20.3 45.91,129.12 R120.1 46.82,130.21 R116.1
Net-(Q21-Pad1): length 3.7
  Top w0.25: R115.1 44.95,109.85 Q21.1
Net-(Q21-Pad2): length 26.1
  Top w0.25: v1(49.41,108.22) Q21.2 ; v1(49.41,100.24) 49.17,100.01 R119.2
  Bottom w0.25: v1(49.41,100.24) v1(49.41,108.22)
Net-(Q21-Pad3): length 4.6
  Top w0.25: Q21.3 45.91,113.88 R121.1 46.82,114.97 R117.2
Net-(Q22-Pad1): length 3.2
  Top w0.25: R120.2 44.37,130.12 Q22.1
Net-(Q23-Pad1): length 3.2
  Top w0.25: Q23.1 44.37,114.88 R121.2
Net-(Q24-Pad1): length 1.9
  Top w0.25: Q24.1 195.29,122.23 R122.1
Net-(Q24-Pad3): length 7.1
  Top w0.25: Q25.1 189.87,122.55 R123.1 189.6,121.9 191.16,120.35 Q24.3
Net-(Q26-Pad1): length 3.8
  Top w0.25: R124.1 58.3,125.37 Q26.1
Net-(Q26-Pad2): length 3.1
  Top w0.25: Q26.2 58.06,123.87 R128.2
Net-(Q26-Pad3): length 4.6
  Top w0.25: Q26.3 59.25,129.12 R130.1 60.16,130.21 R126.1
Net-(Q27-Pad1): length 5.2
  Top w0.25: R125.1 54.53,107.9 57.4,110.77 Q27.1
